# Altium PCB EBAZ4205.PcbDoc (part 2 of 6)
Units mil, origin at the board's own origin, x right, y up, seen from the top; angles counter-clockwise.
Board outline 3958.82 x 3829.88 mil, 4 copper layers (Top Layer, MidLayer1, MidLayer2, Bottom Layer); 565 components, 392 nets, 1912 pads, 1242 vias.
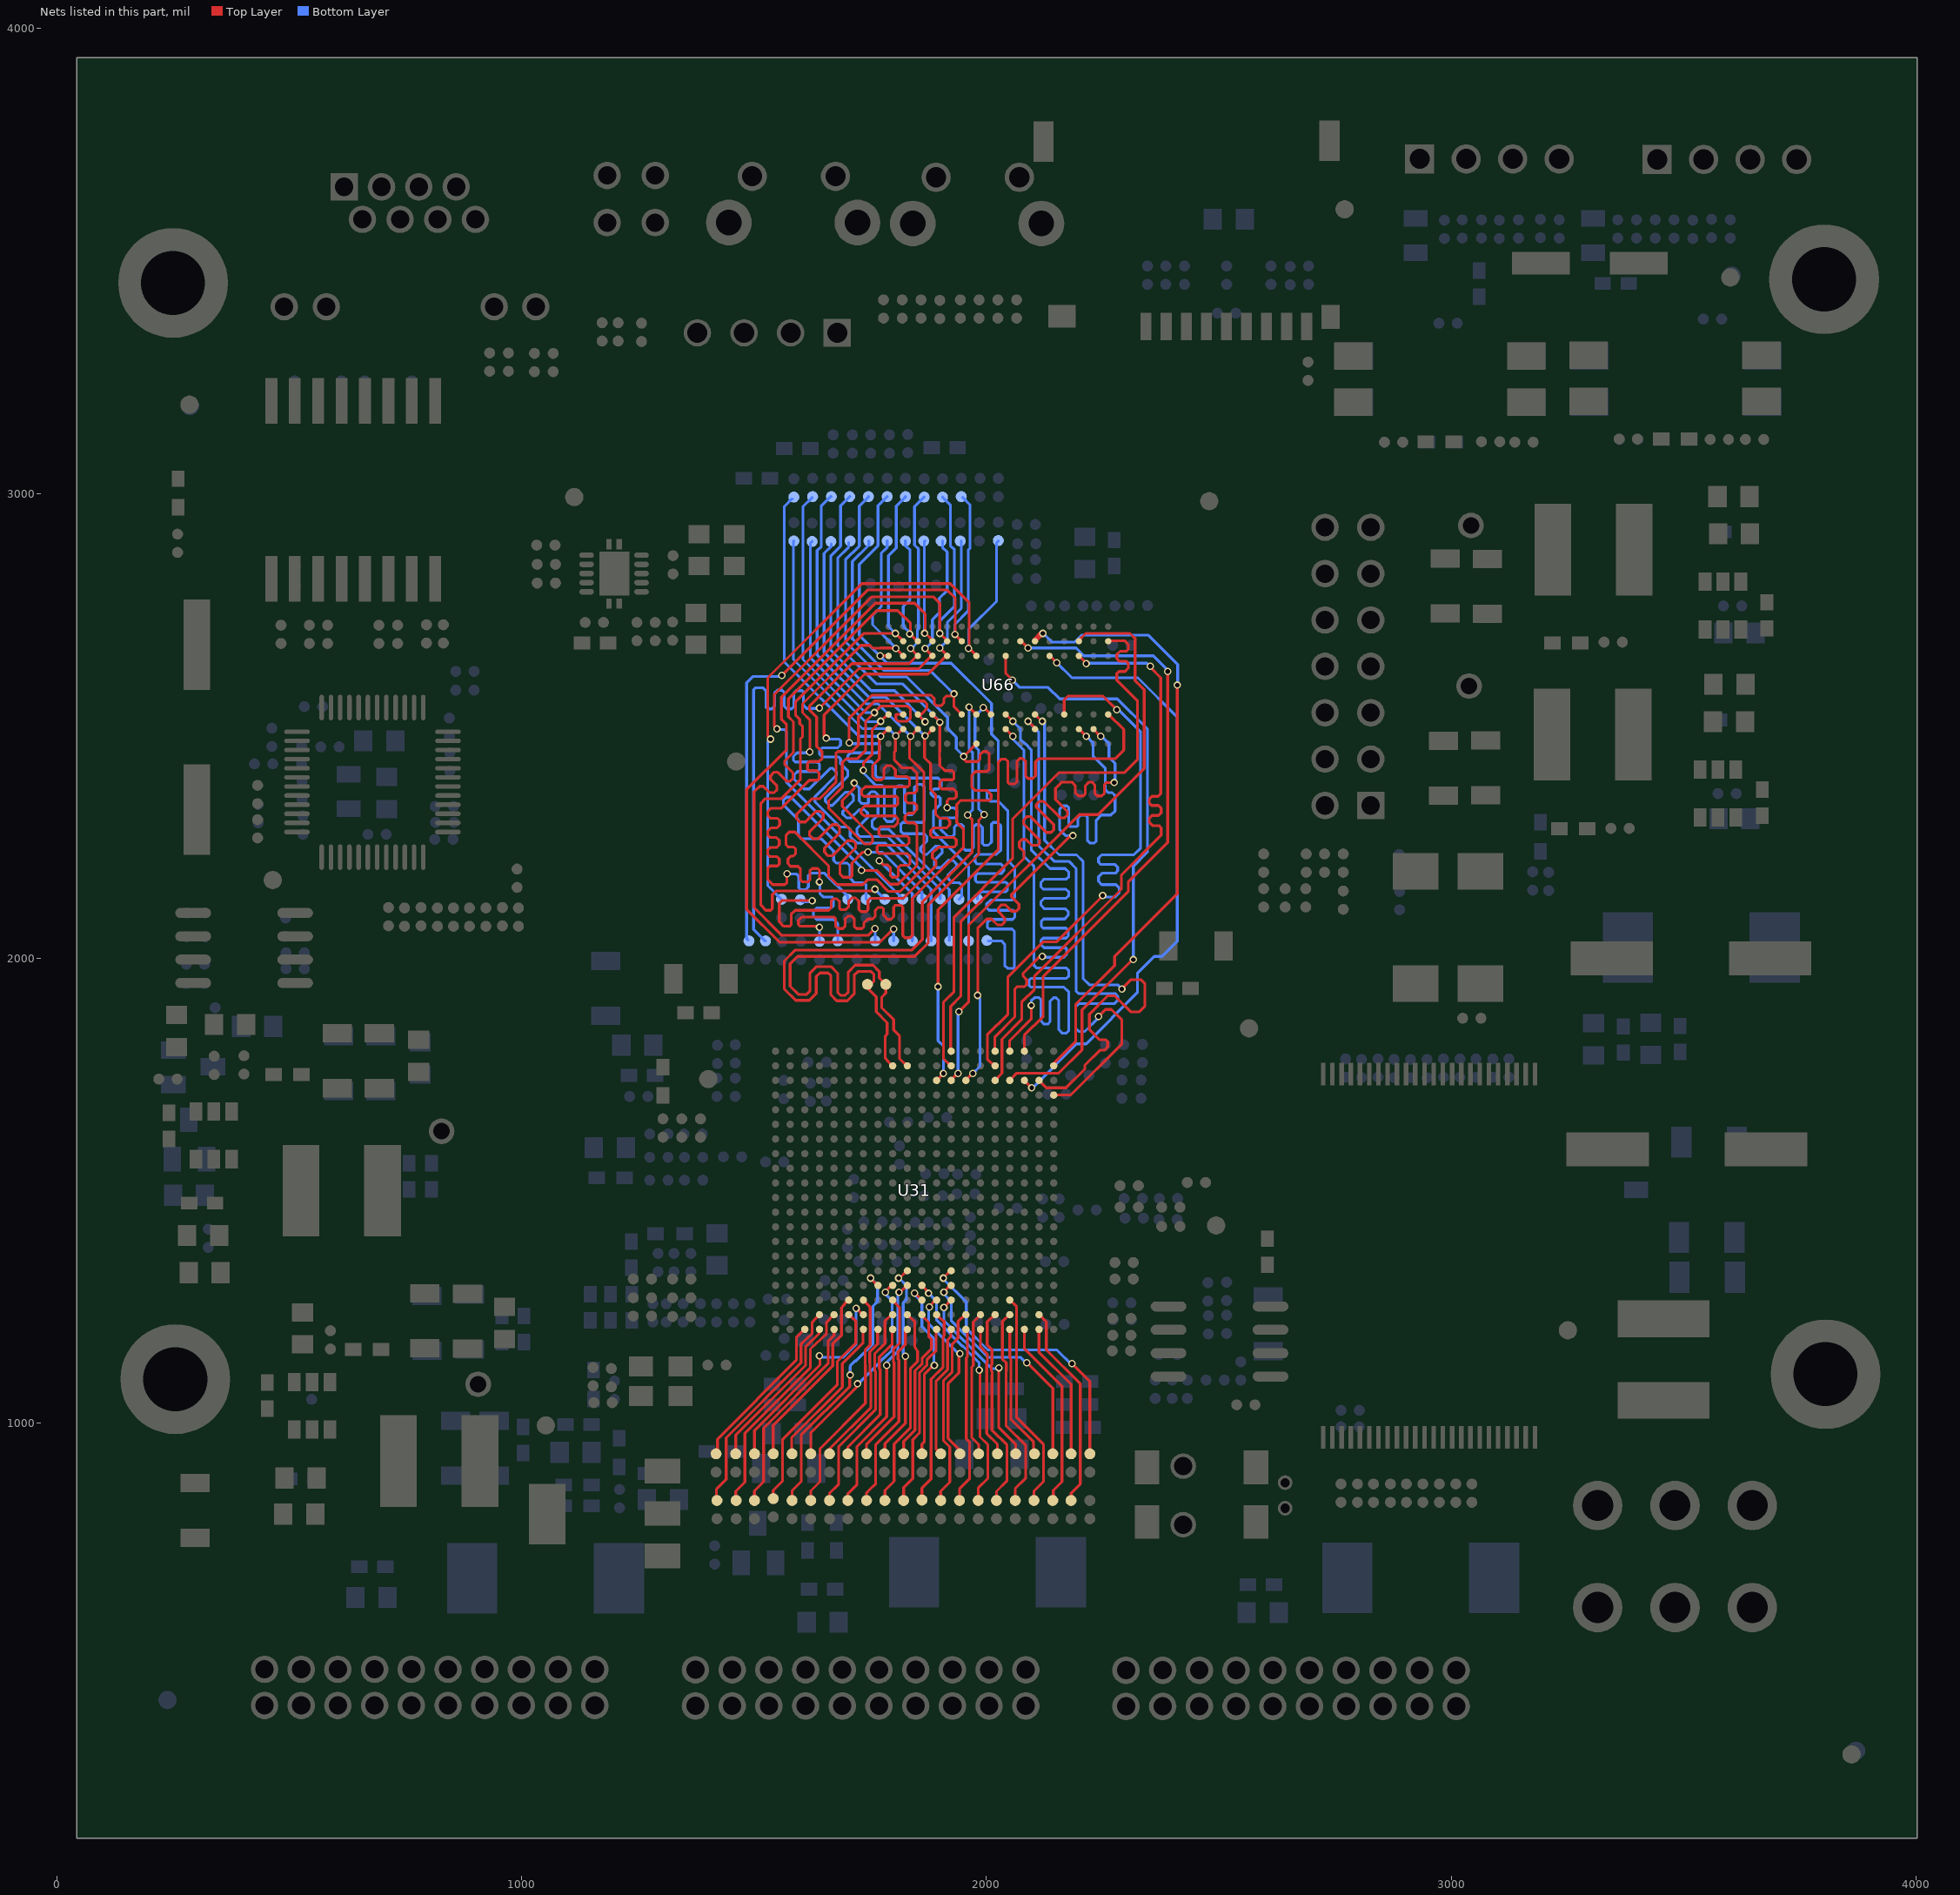
[diagram p4: the nets of this part, all layers, seen from the top]

## Via types
v1: diameter 16, hole 10, Top Layer to Bottom Layer, 1172 vias
v2: diameter 16, hole 10, Top Layer to Bottom Layer, tented both sides, 70 vias

## Nets (pads, with @x,y where several pads share a name; then routed paths per layer and width w, separated by ;. In a path a pad name is that pad's centre, name@x,y a point inside that pad or via, vN(x,y) a via of type N, cw(c..) or ccw(c..) an arc to the next point about the centre after c; other vN are vias at no path point) (continued)
DATA1-6_0: R2483.2 U31.H16 | length 618.1
  Top Layer w6: v1(1907.48,1312.01) 1907.48,1312.89 U31.H16@1923.13,1328.53 ; v2(2184.06,1127.95) 2222.44,1089.57 R2483.2@2222.44,934.05
  Bottom Layer w6: v1@1908.46,1309.05 1956.69,1260.83 1956.69,1203.74 2002.95,1157.48 2151.58,1157.48 v2@2184.06,1125
DATA1-7_0: R2478.2 U31.B19 | length 445.5
  Top Layer w6: U31.B19@2113.03,1234.2 2128.94,1218.3 2128.94,1157.48 2201.77,1084.65 2201.77,869.09 2182.09,849.41 R2478.2@2182.09,833.66
DATA1-8_0: R2482.2 U31.B20 | length 297.3
  Top Layer w6: U31.B20@2113.03,1202.76 2113.03,1152.71 2182.09,1083.66 R2482.2@2182.09,934.05
DATA1-9_0: R2477.2 U31.C20 | length 410.4
  Top Layer w6: U31.C20@2081.38,1202.76 2081.38,1160.74 2162.4,1079.72 2162.4,874.02 2143.7,855.31 R2477.2@2143.7,833.66
DATA1-11_0: R2476.2 U31.H17 | length 511
  Top Layer w6: v1(1908.46,1281.5) 1908.46,1282.43 U31.H17@1923.13,1297.09 ; v2(2086.61,1129.92) 2087.6,1129.92 2142.72,1074.8 R2476.2@2142.72,934.05
  Bottom Layer w6: v1(1908.46,1281.5) 1908.46,1277.56 1924.21,1261.81 1924.21,1220.47 2002.95,1141.73 2072.83,1141.73 v2@2087.6,1126.97
DATA1-13_0: R2473A.2 U31.D20 | length 290.3
  Top Layer w6: U31.D20@2051.18,1201.77 2050.2,1200.79 2050.2,1140.75 2052.58,1138.37 2052.58,1108.32 2052.32,1108.07 2052.32,1008.7 2101.38,959.65 2101.38,936.02 R2473A.2@2103.35,934.05
DATA1-14_0: R1488.2 U31.D18 | length 470.9
  Top Layer w6: U31.D18@2049.73,1265.65 2064.96,1250.42 2064.96,1011.81 2123.03,953.74 2123.03,875 2102.36,854.33 R1488.2@2102.36,833.66
DATA1-15_0: R2474.2 U31.H18 | length 410.6
  Top Layer w6: v1(1908.46,1249.02) 1923.13,1263.68 U31.H18@1923.13,1265.65 ; v1(2026.58,1119.09) 2026.58,990.16 2062.99,953.74 R2474.2@2062.99,934.05
  Bottom Layer w6: v1(1908.46,1249.02) 1908.46,1220.47 1953.27,1175.66 1953.78,1175.66 1969.01,1160.43 1969.01,1159.93 2011.81,1117.13 v1@2024.61,1117.13
DATA1-16_0: R1487.2 U31.D19 | length 437.4
  Top Layer w6: U31.D19@2049.73,1234.2 2034.45,1218.92 2034.45,1137.8 2042.58,1129.67 2042.58,1112.47 2042.32,1112.21 2042.32,994.09 2084.65,951.77 2084.65,941.96 2084.54,941.85 2084.54,926.26 2084.65,926.15 2084.65,902.59 2084.54,902.48 2084.54,886.89 2084.65,886.78 2084.65,881.89 2062.01,859.25 R1487.2@2062.01,833.66
DATA1-17_0: R2473.2 U31.F20 | length 283
  Top Layer w6: U31.F20@1987.2,1200.79 1987.2,1163.39 2001.97,1148.62 2001.97,1131.26 2000.58,1129.86 2000.58,977.77 2023.62,954.72 R2473.2@2023.62,934.05
DATA1-18_0: R2480.2 U31.E19 | length 435.9
  Top Layer w6: U31.E19@2018.08,1234.2 2001.72,1217.84 2001.72,1168.56 2011.97,1158.31 2011.97,1127.12 2010.58,1125.72 2010.58,1112.47 2012.22,1110.82 2012.22,1103.4 2011.97,1103.15 2011.97,985.08 2044.29,952.76 2044.29,941.96 2044.18,941.85 2044.18,926.26 2044.29,926.15 2044.29,902.59 2044.18,902.48 2044.18,886.89 2044.29,886.78 2044.29,875.98 2021.65,853.35 R2480.2@2021.65,833.66
DATA1-19_0: R2472.2 U31.F19 | length 311.8
  Top Layer w6: R2472.2@1983.27,934.05 1983.27,954.1 1968.35,969.02 1968.35,1120.85 1971.46,1123.96 1971.46,1217.52 U31.F19@1986.22,1232.28
DATA1-20_0: R2481.2 U31.K17 | length 537.5
  Top Layer w6: U31.K17@1859.82,1297.09 1875.98,1280.93 1875.98,1280.51 1875,1279.53 1875,1278.21 1875.65,1278.21 v1(1875.65,1279.34) ; R2481.2@1982.28,833.66 1982.28,860.24 2002.95,880.91 2002.95,953.74 1986.22,970.47 1986.22,1114.17 1986.17,1114.23 v1(1984.35,1114.23)
  Bottom Layer w6: v1@1875.98,1278.54 1892.72,1261.81 1892.72,1221.46 1948.51,1165.66 1949.64,1165.66 1959.01,1156.29 1959.01,1155.16 1984.25,1129.92 v1@1984.25,1112.2
DATA2-5_0: R2484.2 U31.G20 | length 383.6
  Top Layer w6: R2484.2@1941.93,833.66 1941.93,858.27 1963.58,879.92 1963.58,959.65 1956.69,966.54 1956.69,1140.72 1959.01,1143.03 1959.01,1198.53 U31.G20@1954.78,1202.76
DATA2-6_0: R2493.2 U31.J18 | length 389.6
  Top Layer w6: v1@1876.97,1248.03 1876.97,1251.14 U31.J18@1891.47,1265.65 ; R2493.2@1942.91,934.05 1942.91,941.93 1917.48,967.36 1917.48,1084.8 1940.95,1108.27 1940.95,1149.61 1941,1149.66 v1(1943.01,1149.66)
  Bottom Layer w6: v1@1877.95,1248.03 1875.98,1246.06 1875.98,1213.58 1940.95,1148.62 v1@1940.95,1147.64
  other v1: 1876.97,1250
DATA2-7_0: R2485.2 U31.G19 | length 432.8
  Top Layer w6: R2485.2@1901.58,833.66 1901.58,853.35 1921.26,873.03 1921.26,948.82 1907.48,962.6 1907.48,1091.54 1926.5,1110.55 1926.5,1128.36 1926.34,1128.52 1926.34,1170.43 1938.98,1183.07 1938.98,1218.5 U31.G19@1953.74,1233.27
DATA2-8_0: R2492.2 U31.H20 | length 285
  Top Layer w6: R2492.2@1901.58,934.05 1891.73,943.9 1891.73,1090.55 1916.5,1115.31 1916.5,1124.22 1916.34,1124.38 1916.34,1179.13 1923.23,1186.02 U31.H20@1923.23,1201.77
DATA2-9_0: R2486.2 U31.J19 | length 426
  Top Layer w6: R2486.2@1861.22,834.65 1861.22,860.24 1880.91,879.92 1880.91,1094.49 1894.49,1108.07 ; U31.J19@1891.73,1233.27 1909,1219 1909,1190 1906.34,1183.28 1906.34,1119.89 1894.51,1108.07
DATA2-11_0: R2487A.2 U31.K18 | length 393.4
  Top Layer w6: v1(1845.47,1279.53) 1845.94,1279.53 U31.K18@1859.82,1265.65 ; R2487A.2@1861.22,934.05 1861.22,954.72 1866.14,959.65 1866.14,1104.33 1885.88,1124.07 v2(1887.89,1124.07)
  Bottom Layer w6: v1(1845.47,1279.53) 1845.47,1276.57 1861.22,1260.83 1861.22,1207.68 1886.81,1182.09 1886.81,1126.97 v2@1885.83,1125.98
DATA2-13_0: R2488.2 U31.K19 | length 331.9
  Top Layer w6: R2488.2@1821.85,934.05 1821.85,960.63 1846.14,984.92 1846.14,1112.61 1861.79,1128.26 1861.79,1140.33 1881.73,1160.28 1881.73,1180.28 1875.98,1186.02 1875.98,1216.54 U31.K19@1860.24,1232.28
DATA2-14_0: R2506.2 U31.J20 | length 397.2
  Top Layer w6: R2506.2@1821.85,833.66 1821.85,861.22 1841.54,880.91 1841.54,942.39 1841.54,964.57 1856.14,979.17 1856.14,1108.47 1871.79,1124.12 1871.79,1136.19 1891.89,1156.29 1891.89,1201.61 U31.J20@1891.73,1201.77
DATA2-15_0: R2489.2 U31.L16 | length 430.9
  Top Layer w6: R2489.2@1781.5,934.05 1781.5,955.71 1825.79,1000 1825.79,1141.73 v2@1826.77,1142.72 ; v1(1811.02,1312.01) 1812.99,1312.01 U31.L16@1829.16,1328.17 ; U31.L16@1828.17,1328.17 U31.L16@1828.17,1328.53
  Bottom Layer w6: v1@1812.99,1311.02 1827.76,1296.26 1827.76,1265.75 1820.87,1258.86 1820.87,1148.62 v2(1825.79,1143.7)
DATA2-16_0: R2505.2 U31.L19 | length 441.4
  Top Layer w6: R2505.2@1781.5,833.66 1781.5,855.31 1801.18,875 1801.18,954.72 1836.14,989.68 1836.14,1116.76 1851.79,1132.4 1851.79,1154.47 1846,1163 1846,1218 U31.L19@1827,1236
DATA2-17_0: R2490.2 U31.M18 | length 369.1
  Top Layer w6: R2490.2@1742.13,934.05 1742.13,954.72 1801.43,1014.03 1801.43,1130.64 1799.79,1132.29 1799.79,1158.68 1812.99,1171.88 1812.99,1249.17 U31.M18@1796.52,1265.65
DATA2-18_0: R2507.2 U31.L20 | length 407.6
  Top Layer w6: R2507.2@1742.13,833.66 1742.13,850.39 1748.03,856.3 1748.22,856.3 1761.81,869.89 1761.81,886.78 1761.7,886.89 1761.7,902.48 1761.81,902.59 1761.81,926.15 1761.7,926.26 1761.7,953.63 1811.43,1003.36 1811.43,1135.43 1809.79,1137.07 1809.79,1153.29 1825.79,1169.29 1825.79,1200.79 U31.L20@1828.74,1203.74
DATA2-19_0: R2491.2 U31.M20 | length 308.9
  Top Layer w6: R2491.2@1701.77,934.05 1701.77,948.82 1771.39,1018.44 1771.39,1115.43 1769.43,1117.39 1769.43,1121.12 1769.43,1142.46 1797.24,1170.28 U31.M20@1797.24,1201.77
DATA2-20_0: R2504.2 U31.L17 | length 514.4
  Top Layer w6: R2504.2@1701.77,833.66 1701.77,848.42 1721.46,868.11 1721.46,949.8 1785.43,1013.78 v1(1785.43,1124.02) ; v1@1812.99,1280.51 1828.17,1295.69 U31.L17@1828.17,1297.09
  Bottom Layer w6: v1(1785.43,1124.02) 1785.43,1130.91 1809.06,1154.53 1809.06,1276.57 v1@1812.01,1279.53
  other v1: 1812.01,1281.5
DATA3-5_0: R2496.2 U31.M19 | length 456.3
  Top Layer w6: R2496.2@1662.4,833.66 1662.4,849.41 1682.09,869.09 1682.09,949.8 1761.39,1029.11 1761.39,1111.29 1759.43,1113.25 1759.43,1149.2 1781.5,1171.26 1781.5,1219.49 U31.M19@1795.28,1233.27
DATA3-6_0: R2510.2 U31.N20 | length 311.5
  Top Layer w6: R2510.2@1662.4,934.05 1662.4,944.88 1751.39,1033.87 1751.39,1107.14 1749.43,1109.1 1749.43,1128.87 1749.02,1129.29 1749.02,1153.54 1765.75,1170.28 U31.N20@1765.75,1200.79
DATA3-7_0: R2497.2 U31.P18 | length 490.6
  Top Layer w6: R2497.2@1622.05,833.66 1622.05,854.33 1641.73,874.02 1641.73,944.88 1739.43,1042.58 1739.43,1124.73 1739.02,1125.15 1739.02,1157.69 1750,1168.67 1750,1196.59 1749.99,1208.92 1750,1228.03 1749.99,1240.36 1750,1250 U31.P18@1735.24,1264.76
DATA3-8_0: R2511.2 U31.M17 | length 444.3
  Top Layer w6: R2511.2@1622.05,934.05 1622.05,979.33 1722.44,1079.72 v1(1722.44,1084.65) ; v1@1781.5,1281.5 1781.5,1282.07 U31.M17@1796.52,1297.09
  Bottom Layer w6: v1(1722.44,1084.65) 1724.41,1084.65 1769.43,1129.67 1769.43,1130.64 1778.81,1140.02 1779.78,1140.02 1797.24,1157.48 1797.24,1262.8 v1@1783.46,1276.57
  other v1: 1782.48,1281.5
DATA3-9_0: R2498.2 U31.N17 | length 585.8
  Top Layer w6: R2498.2@1581.69,833.66 1581.69,854.33 1601.38,874.02 1601.38,974.41 1705.71,1078.74 1705.71,1108.27 v1@1706.69,1109.25 ; v1(1750.98,1312.01) 1750.98,1310.97 U31.N17@1764.87,1297.09
  Bottom Layer w6: v1@1706.69,1106.3 1706.69,1121.06 1707.43,1121.8 1707.43,1124.35 1716.81,1133.72 1719.35,1133.72 1755.91,1170.28 1755.91,1251.97 1765.75,1261.81 1765.75,1297.24 v1(1750.98,1312.01)
  other v1: 1706.69,1103.35
DATA3-11_0: R2499.2 U31.P20 | length 333.1
  Top Layer w6: R2499.2@1582.68,934.05 1580.71,936.02 1580.71,968.5 1689.96,1077.76 1689.96,1127.95 1734.25,1172.24 U31.P20@1734.25,1202.76
DATA3-13_0: R2500.2 U31.R18 | length 395.3
  Top Layer w6: R2500.2@1541.34,934.05 1541.34,995.08 1669.45,1123.19 1669.45,1171.42 1688,1189 1688,1248 U31.R18@1700.79,1263.78
DATA3-14_0: R1492.2 U31.R19 | length 476.4
  Top Layer w6: R1492.2@1541.34,837.6 1541.34,855.31 1561.02,875 1561.02,964.57 1679.45,1082.99 1679.45,1133.19 1719,1172 1719,1220 U31.R19@1703.74,1233.27
DATA3-15_0: R2501.2 U31.P19 | length 451.5
  Top Layer w6: R2501.2@1501.97,934.05 1500.98,935.04 1500.98,984.25 1641.73,1125 1641.73,1143.7 v1(1640.75,1144.68) ; v1@1720.47,1247.05 1720.47,1246.95 U31.P19@1733.22,1234.2
  Bottom Layer w6: v1(1640.75,1144.68) 1643.7,1141.73 1691.93,1141.73 1719.49,1169.29 1719.49,1240.16 v1@1718.5,1241.14
  other v1: 1719.49,1247.05
DATA3-16_0: R1491.2 U31.T20 | length 440
  Top Layer w6: R1491.2@1500.98,833.66 1500.98,854.33 1520.67,874.02 1520.67,989.17 1659.45,1127.95 1659.45,1176.18 1672.24,1188.98 U31.T20@1672.24,1202.76
DATA3-17_0: R2502.2 U31.U20 | length 344.3
  Top Layer w6: R2502.2@1460.63,934.05 1460.63,974.41 1611.06,1124.84 1611.06,1164.21 1640.75,1193.9 U31.U20@1640.75,1203.74
DATA3-18_0: R2509.2 U31.T19 | length 485.4
  Top Layer w6: R2509.2@1460.63,835.63 1460.63,853.35 1480.32,873.03 1480.32,978.35 1621.06,1119.09 1621.06,1159.45 1656,1193 1656,1217 1669.91,1231.92 U31.T19@1669.91,1234.2
DATA3-19_0: R2503.2 U31.V20 | length 342.4
  Top Layer w6: R2503.2@1421.26,934.05 1421.26,965.55 1591.06,1135.35 1591.06,1184.57 U31.V20@1606.3,1199.8
DATA3-20_0: R2508.2 U31.U19 | length 491.1
  Top Layer w6: R2508.2@1419.29,833.66 1419.29,858.27 1439.96,878.94 1439.96,968.5 1601.06,1129.61 1601.06,1169.96 1625,1193 1625,1217 1638.26,1231.77 U31.U19@1638.26,1234.2
DDR-A0_0: R2517.2 R2621.1 U66.N3 | length 1428.7
  Top Layer w6: v1(1640.75,2538.39) 1725.39,2623.03 1854.33,2623.03 1883.86,2652.56 1881.89,2652.56 v1(1868.11,2666.34)
  Bottom Layer w6: R2517.2@1524.61,2037.4 1523.62,2037.4 1499.02,2062.01 1499.02,2577.76 1502.95,2581.69 1519.69,2581.69 1525.59,2575.79 1525.59,2540.35 1529.53,2536.42 1538.39,2536.42 1544.29,2542.32 1544.29,2570.87 1550.2,2576.77 1560.04,2576.77 1564.96,2571.85 1564.96,2542.32 1570.87,2536.42 1580.71,2536.42 1585.63,2541.34 1585.63,2570.87 1590.55,2575.79 1603.35,2575.79 1606.3,2572.83 1606.3,2544.29 1613.19,2537.4 v1@1638.78,2537.4 ; v1@1872.05,2669.29 1883.86,2681.1 1883.86,2691.94 1883.61,2692.19 1883.61,2728.09 1898.87,2743.36 1898.87,2762.53 1898.62,2762.78 1898.62,2774.61 1915.35,2791.34 1915.35,2874.02 1905.51,2883.86 R2621.1@1905.51,2897.64
DDR-A1_0: R2518.2 R2622.1 U66.P7 | length 1850.5
  Top Layer w6: v1(1745.08,2228.35) 1734.25,2228.35 1710.63,2204.72 1710.63,2177.17 1707.68,2174.21 1691.93,2174.21 1685.04,2181.1 1685.04,2203.74 1718.5,2237.2 1718.5,2247.05 1712.6,2252.95 1700.79,2252.95 1668.31,2220.47 1659.45,2220.47 1651.58,2228.35 1651.58,2237.2 1684.06,2269.68 1684.06,2281.5 1678.15,2287.4 1668.31,2287.4 1637.8,2256.89 1626.97,2256.89 1619.09,2264.76 1619.09,2271.65 1648.62,2301.18 1648.62,2311.02 1643.7,2315.94 1632.87,2315.94 1610.24,2293.31 1598.43,2293.31 1591.54,2300.2 1591.54,2310.04 1625,2343.5 1641.73,2343.5 1676.18,2377.95 1676.18,2440.94 1680.12,2444.88 1710.63,2444.88 1724.41,2458.66 1724.41,2518.7 1758.86,2553.15 1866.14,2553.15 1872.05,2547.24 1872.05,2537.4 1859.25,2524.61 1852.36,2524.61 v1(1868.11,2508.86)
  Bottom Layer w6: R2622.1@1705.71,2993.11 1686.02,2973.42 1686.02,2886.81 1665.35,2866.14 1665.35,2662.4 1751.97,2575.79 1802.17,2575.79 1868.11,2509.84 v1(1868.11,2508.86) ; v1(1745.08,2228.35) 1775.59,2228.35 1861.22,2142.72 R2518.2@1861.22,2127.95
DDR-A2_0: R2519.2 R2623.1 U66.P3 | length 1537.2
  Top Layer w6: 1567.91,2160.43 1565.95,2158.46 ; v1@1570.87,2183.07 1570.87,2163.39 1565.95,2158.46 ; v1(1836.61,2666.34) 1850.39,2652.56 1852.36,2652.56 1833.66,2633.86 1710.63,2633.86 1619.09,2542.32 1619.09,2534.45 1634.84,2518.7 1634.84,2455.71 1646.65,2443.9 1646.65,2430.12 1639.76,2423.23 1619.09,2423.23 1615.16,2419.29 1615.16,2406.5 1618.11,2403.54 1634.84,2403.54 1639.76,2398.62 1639.76,2385.83 1636.81,2382.87 1619.09,2382.87 1559.06,2322.83 1536.42,2322.83 1529.53,2315.94 1529.53,2307.09 1535.43,2301.18 1550.2,2301.18 1555.12,2296.26 1555.12,2286.42 1549.21,2280.51 1536.42,2280.51 1529.53,2273.62 1529.53,2264.76 1534.45,2259.84 1548.23,2259.84 1554.13,2253.94 1554.13,2244.09 1548.23,2238.19 1534.45,2238.19 1529.53,2233.27 1529.53,2223.42 1534.45,2218.5 1549.21,2218.5 1554.13,2213.58 1554.13,2202.76 1550.2,2198.82 1534.45,2198.82 1529.53,2193.9 1529.53,2169.29 1540.35,2158.46 1565.95,2158.46
  Bottom Layer w6: v1@1575.79,2181.1 1591.54,2181.1 1596.46,2176.18 1596.46,2151.57 1600.39,2147.64 1611.22,2147.64 1617.13,2153.54 1617.13,2178.15 1622.05,2183.07 1651.57,2183.07 1701.77,2132.87 R2519.2@1701.77,2126.97 ; v1@1837.6,2665.35 1851.38,2679.13 1851.38,2692.16 1851.22,2692.32 1851.22,2702.76 1851.22,2705.58 1853.6,2707.96 1853.6,2880.65 1845.47,2888.78 1845.47,2971.46 R2623.1@1866.14,2992.13
  other v1: 1570.87,2182.09
DDR-A3_0: R2520.2 R2624.1 U66.N2 | length 1547.7
  Top Layer w6: v1(1800.2,2062.99) 1799.21,2062.99 1770.67,2034.45 1555.12,2034.45 1484.25,2105.31 1484.25,2363.19 1569.88,2448.82 1569.88,2502.95 1559.06,2513.78 1559.06,2562.01 1760.83,2763.78 1845.47,2763.78 1868.11,2741.14 v1@1868.11,2698.82 ; v1(1867.22,2698.95) 1867.98,2698.95 v1@1868.11,2698.82 ; U66.N2@1883.86,2684.05 1869.1,2698.82 v1@1868.11,2698.82
  Bottom Layer w6: R2520.2@1800.2,2037.4 v1(1800.2,2062.99) ; v1@1868.11,2699.84 v1(1867.22,2698.95) 1866.14,2700.03 1866.14,2895.67 R2624.1@1868.11,2897.64
DDR-A4_0: R2521.2 R2625.1 U66.P8 | length 1798.9
  Top Layer w6: v1(1640.75,2164.37) 1640.75,2188.98 1636.81,2192.91 1625,2192.91 1620.08,2187.99 1620.08,2168.31 1616.14,2164.37 1604.33,2164.37 1599.41,2169.29 1599.41,2192.91 1594.49,2197.83 1578.74,2197.83 1572.83,2203.74 1572.83,2213.58 1578.74,2219.49 1583.66,2219.49 1589.57,2225.39 1589.57,2235.24 1585.63,2239.17 1573.82,2239.17 1568.9,2244.09 1568.9,2264.76 1575.79,2271.65 1587.6,2271.65 1660.43,2198.82 1660.43,2177.17 1679.13,2158.46 1734.25,2158.46 1745.08,2169.29 1763.78,2169.29 1789.37,2143.7 1813.98,2143.7 1865.16,2194.88 1865.16,2400.59 1844.62,2421.13 1843.86,2421.13 1834.48,2430.5 1834.48,2443.75 1834.76,2444.03 1834.76,2475.5 v1(1836.61,2477.36) 1851.38,2492.13 U66.P8@1852.36,2492.13
  Bottom Layer w6: v1@1641.73,2162.4 1641.73,2138.78 1648.62,2131.89 1667.32,2131.89 1670.28,2128.94 1670.28,2112.2 1666.34,2108.27 1634.84,2108.27 1627.95,2101.38 1627.95,2090.55 1634.84,2083.66 1671.26,2083.66 1680.12,2074.8 R2521.2@1680.12,2037.4 ; R2625.1@1666.34,2993.11 1664.37,2993.11 1644.69,2973.42 1644.69,2885.83 1635.83,2876.97 1635.83,2652.56 1741.14,2547.24 1766.73,2547.24 v1@1834.65,2479.33
DDR-A5_0: R2522.2 R2626.1 U66.P2 | length 1530.5
  Top Layer w6: v1(1759.84,2063.98) 1745.08,2049.21 1560.04,2049.21 1500,2109.25 1500,2358.27 1511.81,2370.08 1519.69,2370.08 1533.46,2356.3 1543.31,2356.3 1549.21,2362.2 1549.21,2371.06 1535.43,2384.84 1535.43,2392.72 1543.31,2400.59 1550.2,2400.59 1569.88,2380.91 1577.76,2380.91 1583.66,2386.81 1583.66,2398.62 1565.95,2416.34 1565.95,2424.21 1584.65,2442.91 1584.65,2508.86 1573.82,2519.68 1573.82,2558.07 1763.78,2748.03 1809.06,2748.03 1836.61,2720.47 v1@1836.61,2697.83 ; v1@1835.63,2697.83 1849.41,2684.05 U66.P2@1852.36,2684.05
  Bottom Layer w6: v1(1759.84,2063.98) 1760.83,2062.99 R2522.2@1760.83,2037.4 ; R2626.1@1825.79,2897.64 1825.79,2887.79 1835.63,2877.95 1835.63,2771.65 1820.87,2756.89 1820.87,2736.21 1821.12,2735.96 1821.12,2722.7 1820.87,2722.45 1820.87,2714.57 v1@1835.63,2699.8
  other v1: 1834.65,2697.83
DDR-A6_0: R2523.2 R2627.1 U66.R8 | length 1678.5
  Top Layer w6: v1(1731.3,2188.98) 1763.78,2188.98 1793.31,2159.45 1810.04,2159.45 1850.39,2199.8 1850.39,2285.43 1844.49,2291.34 1830.71,2291.34 1824.8,2297.24 1824.8,2305.12 1831.69,2312.01 1842.52,2312.01 1850.39,2319.88 1850.39,2328.74 1845.47,2333.66 1831.69,2333.66 1825.79,2339.57 1825.79,2350.39 1830.71,2355.31 1845.47,2355.31 1850.39,2360.24 1850.39,2398.62 1839.57,2409.45 1818.9,2409.45 1811.02,2417.32 1802,2426.34 1802,2443.75 1804.13,2445.89 1804.13,2477.36 v1(1805.12,2478.35) 1818.9,2492.13 U66.R8@1820.87,2492.13